# Allegro board SDHCalFEB20180110.brd (continued)
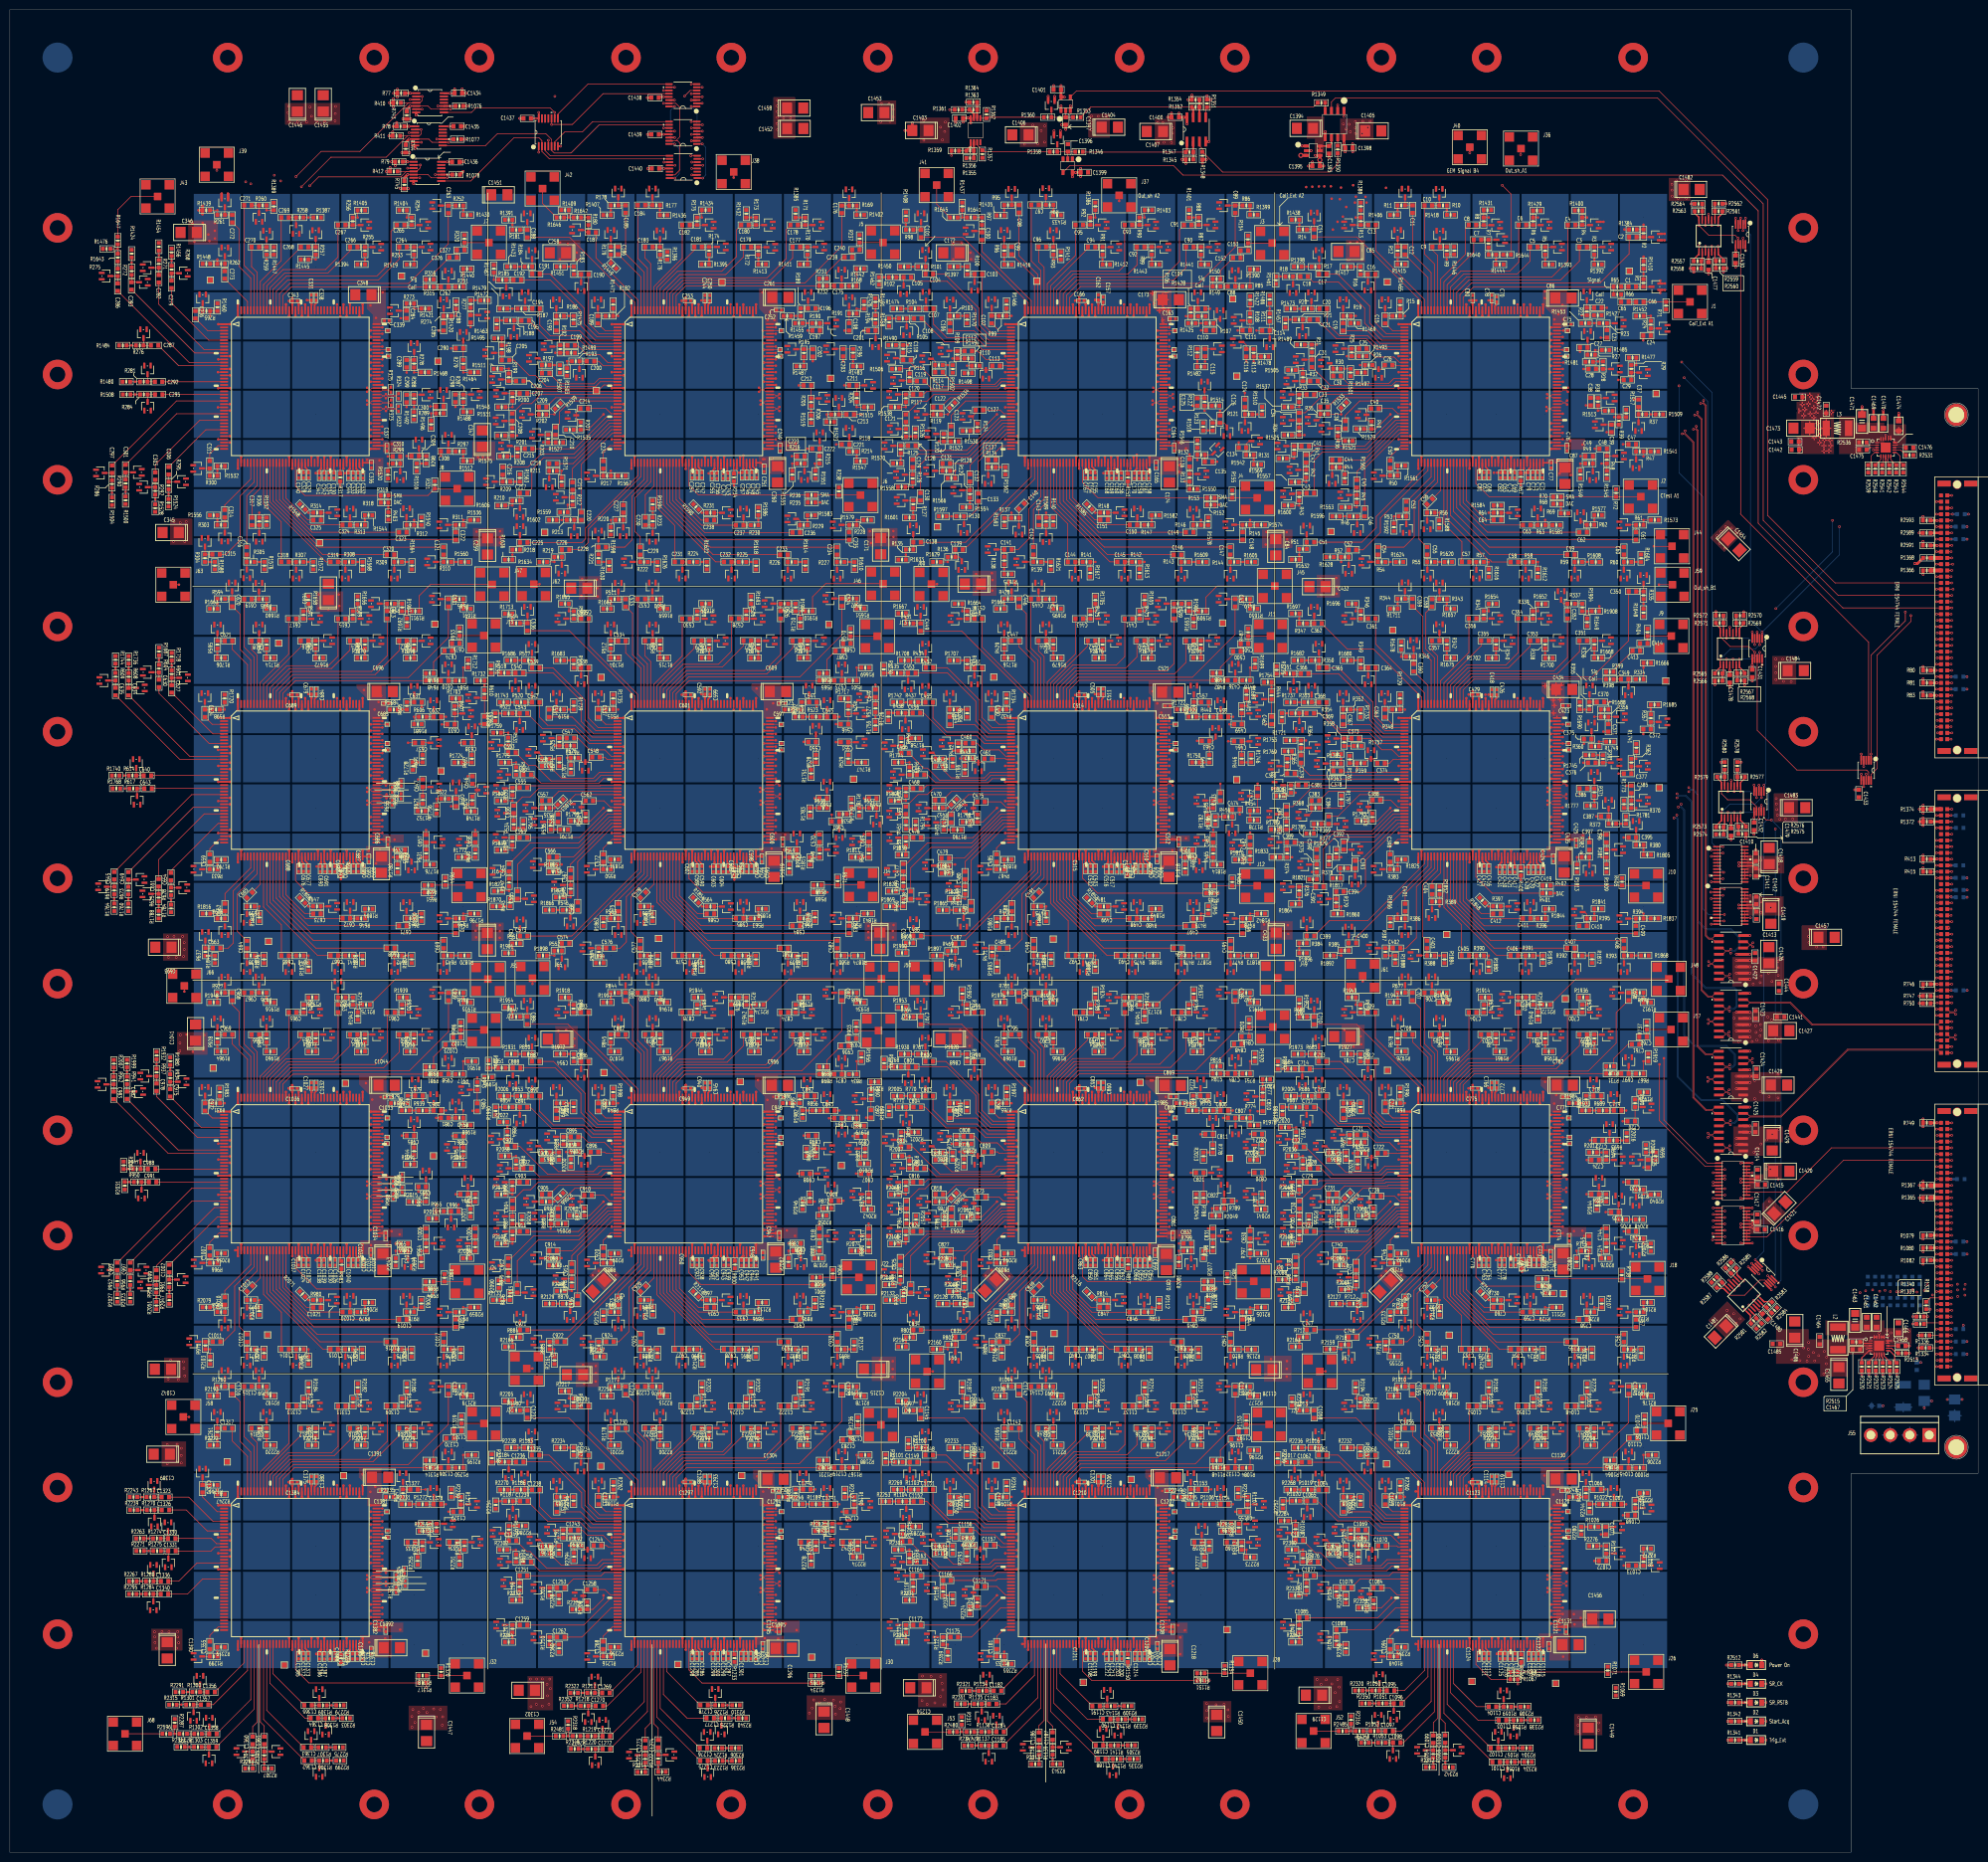
[diagram p0: board, top side]
## Routing (per net, layer and track width the routed paths; a pad name or vN(x,y) marks a point on that pad's centre or on a via; arc(x,y) is an arc through that point) (continued)
ESD_SIGNAL31_ASIC_A2: length 3.2
  TOP w0.127: R115.2 C118.1 181.06,303.26 180.71,303.62 U96.3
ESD_SIGNAL31_ASIC_A3: length 3.1
  TOP w0.127: C205.1 100.05,304.67 R198.2 98.43,304.67 U161.3
ESD_SIGNAL31_ASIC_A4: length 3
  TOP w0.127: C292.1 29.48,298.83 R281.2 28,300.35 27.99,300.36
ESD_SIGNAL31_ASIC_B1: length 3.1
  TOP w0.127: U291.3 263.39,224.4 263.38,224.4 R364.2 262.56,223.83 262.56,223.82 C379.1
ESD_SIGNAL31_ASIC_B5: length 3.1
  TOP w0.127: U356.3 180.43,224.84 180.43,224.84 R448.2 181.28,224.82 C466.1
ESD_SIGNAL31_ASIC_B6: length 3.2
  TOP w0.127: C553.1 R531.2 100.48,224.96 100.47,224.95 U421.3
ESD_SIGNAL31_ASIC_B7: length 3.1
  TOP w0.127: C640.1 25.72,218.79 R614.2 25.71,218.8 U486.3
ESD_SIGNAL31_ASIC_C1: length 3.3
  TOP w0.127: U551.3 261.51,144.89 R697.2 C727.1
ESD_SIGNAL31_ASIC_C2: length 3
  TOP w0.127: C814.1 R781.2 179.72,144.77 U616.3
ESD_SIGNAL31_ASIC_C3: length 3
  TOP w0.127: U681.3 99.63,144.92 R864.2 C901.1
ESD_SIGNAL31_ASIC_C4: length 3
  TOP w0.127: C988.1 28.06,138.84 R947.2 26.57,138.84 U746.3
ESD_SIGNAL31_ASIC_D1: length 3
  TOP w0.127: U811.3 261.45,64.88 R1030.2 C1075.1
ESD_SIGNAL31_ASIC_D2: length 3.1
  TOP w0.127: C1162.1 R1114.2 179.94,64.67 U876.3
ESD_SIGNAL31_ASIC_D3: length 3
  TOP w0.127: U941.3 101.46,64.77 R1197.2 C1249.1
ESD_SIGNAL31_ASIC_D4: length 3
  TOP w0.127: U1006.3 29.21,55.07 R1280.2 30.7,55.07 C1336.1
ESD_SIGNAL32_ASIC_A1: length 3.1
  TOP w0.127: U32.3 262.33,298.97 262.34,298.95 R32.2 263.53,298.95 263.54,298.95 C32.1
ESD_SIGNAL32_ASIC_A2: length 3.2
  TOP w0.127: C119.1 182.97,298.95 R116.2 182.36,298.96 182.25,299.07 U97.3
ESD_SIGNAL32_ASIC_A3: length 3.2
  TOP w0.127: C206.1 102.35,298.97 102.34,298.96 R199.2 101.04,298.96 100.71,299.29 U162.3
ESD_SIGNAL32_ASIC_B1: length 3.1
  TOP w0.127: U292.3 258.15,220.69 R365.2 C380.1
ESD_SIGNAL32_ASIC_B5: length 3.1
  TOP w0.127: U357.3 182.94,218.95 R449.2 184.43,218.95 C467.1
ESD_SIGNAL32_ASIC_C1: length 3.1
  TOP w0.127: U552.3 261.4,138.98 R698.2 262.95,138.98 C728.1
ESD_SIGNAL32_ASIC_C2: length 3.1
  TOP w0.127: C815.1 182.95,138.96 R782.2 181.39,138.98 U617.3
ESD_SIGNAL32_ASIC_C3: length 3.1
  TOP w0.127: C902.1 104.44,138.98 R865.2 101.41,138.98 U682.3
ESD_SIGNAL32_ASIC_D1: length 3
  TOP w0.127: U812.3 261.42,58.98 R1031.2 264.44,58.98 C1076.1
ESD_SIGNAL32_ASIC_D2: length 3
  TOP w0.127: U877.3 181.41,58.98 R1115.2 184.43,58.98 C1163.1
ESD_SIGNAL32_ASIC_D3: length 3
  TOP w0.127: C1250.1 104.44,58.98 R1198.2 101.43,58.98 U942.3
ESD_SIGNAL33_ASIC_A1: length 3.1
  TOP w0.127: C33.1 R33.2 261.35,296.22 261.35,296.22 U33.3
ESD_SIGNAL33_ASIC_A2: length 3.1
  TOP w0.127: C120.1 182.8,296.25 182.79,296.24 R117.2 181.6,296.24 181.58,296.25 U98.3
ESD_SIGNAL33_ASIC_A3: length 3.1
  TOP w0.127: U163.3 100.61,296.47 R200.2 103.67,296.47 C207.1
ESD_SIGNAL33_ASIC_B1: length 3.1
  TOP w0.127: U293.3 258.93,216.82 R366.2 260.52,216.86 C381.1
ESD_SIGNAL33_ASIC_B5: length 3.1
  TOP w0.127: C468.1 183.1,216.18 183.09,216.18 R450.2 181.61,216.18 181.61,216.18 U358.3
ESD_SIGNAL33_ASIC_B6: length 3.1
  TOP w0.127: C555.1 103.67,216.34 R533.2 101.61,216.34 101.46,216.18 U423.3
ESD_SIGNAL33_ASIC_C1: length 3.1
  TOP w0.127: U553.3 262.2,136.17 R699.2 263.69,136.18 C729.1
ESD_SIGNAL33_ASIC_C2: length 3.1
  TOP w0.127: U618.3 180.65,136.15 R783.2 183.68,136.15 C816.1
ESD_SIGNAL33_ASIC_C3: length 3.1
  TOP w0.127: C903.1 102.2,136.17 R866.2 100.64,136.15 U683.3
ESD_SIGNAL33_ASIC_D1: length 3.1
  TOP w0.127: U813.3 262.14,56.2 C1077.1 263.66,54.69 R1032.2
ESD_SIGNAL33_ASIC_D2: length 3.1
  TOP w0.127: R1116.2 183.69,54.7 C1164.1 183.69,56.19 U878.3
ESD_SIGNAL33_ASIC_D3: length 3
  TOP w0.127: U943.3 102.14,54.69 R1199.2 103.68,54.7 C1251.1
ESD_SIGNAL34_ASIC_A1: length 3.1
  TOP w0.127: U34.3 261.55,290.99 261.55,291 C34.1 262.19,290.09 262.18,290.08 R34.2
ESD_SIGNAL34_ASIC_A2: length 3
  TOP w0.127: U99.3 181.47,289.24 181.48,289.23 R118.2 182.22,290.04 182.21,290.06 C121.1
ESD_SIGNAL34_ASIC_A3: length 3.1
  TOP w0.127: U164.3 100.56,290.86 C208.1 102.18,290.85 R201.2
ESD_SIGNAL34_ASIC_A4: length 3
  TOP w0.127: U229.3 28.01,295.63 28.02,295.64 R284.2 28.91,296.24 28.92,296.23 C295.1
ESD_SIGNAL34_ASIC_B1: length 3.3
  TOP w0.127: U294.3 258.95,210.95 258.96,210.95 C382.1 259.59,209.96 259.59,209.95 R367.2
ESD_SIGNAL34_ASIC_B5: length 3.1
  TOP w0.127: U359.3 180.6,210.97 C469.1 182.2,209.49 R451.2
ESD_SIGNAL34_ASIC_B6: length 3.1
  TOP w0.127: R534.2 102.47,209.64 C556.1 100.89,211.15 U424.3
ESD_SIGNAL34_ASIC_B7: length 3
  TOP w0.127: U489.3 25.88,216.14 R617.2 27.35,216.15 C643.1
ESD_SIGNAL34_ASIC_C1: length 3
  TOP w0.127: U554.3 260.68,129.29 R700.2 262.23,130.78 C730.1
ESD_SIGNAL34_ASIC_C2: length 3
  TOP w0.127: R784.2 182.33,129.3 C817.1 180.78,130.78 U619.3
ESD_SIGNAL34_ASIC_C3: length 3.2
  TOP w0.127: C904.1 102.21,129.22 R867.2 100.67,129.22 U684.3
ESD_SIGNAL34_ASIC_C4: length 3.1
  TOP w0.127: U749.3 26.78,134.63 R950.2 28.27,136.19 C991.1
ESD_SIGNAL35_ASIC_A1: length 3.3
  TOP w0.127: C35.1 266.48,293.07 266.49,293.06 R35.2 266.49,291.47 266.01,290.99 U35.3
ESD_SIGNAL35_ASIC_A2: length 3.1
  TOP w0.127: U100.3 187.2,292.19 187.21,292.18 R119.2 C122.1
ESD_SIGNAL35_ASIC_A3: length 3.2
  TOP w0.127: C209.1 R202.2 106.68,292.2 106.67,292.18 U165.3
ESD_SIGNAL35_ASIC_B1: length 3.5
  TOP w0.127: U295.3 264.13,210.75 264.71,211.32 R368.2 264.71,213.04 264.72,213.05 C383.1
ESD_SIGNAL35_ASIC_B5: length 3.2
  TOP w0.127: U360.3 187.31,212.2 187.32,212.21 R452.2 C470.1
ESD_SIGNAL35_ASIC_B6: length 3.1
  TOP w0.127: C557.1 108.2,213.68 R535.2 106.61,212.19 U425.3
ESD_SIGNAL35_ASIC_C1: length 3.1
  TOP w0.127: U555.3 266.63,132.21 R701.2 268.24,133.71 C731.1
ESD_SIGNAL35_ASIC_C2: length 3.1
  TOP w0.127: U620.3 188.23,132.19 R785.2 188.24,132.2 C818.1
ESD_SIGNAL35_ASIC_C3: length 3
  TOP w0.127: U685.3 106.71,132.21 R868.2 108.23,132.22 C905.1
ESD_SIGNAL35_ASIC_D1: length 3.1
  TOP w0.127: C1079.1 271.27,53.72 R1034.2 269.76,53.72 U815.3
ESD_SIGNAL35_ASIC_D2: length 3
  TOP w0.127: C1166.1 189.79,53.73 R1118.2 188.24,53.72 U880.3
ESD_SIGNAL35_ASIC_D3: length 3.1
  TOP w0.127: C1253.1 109.77,53.72 R1201.2 108.23,53.72 U945.3
ESD_SIGNAL35_ASIC_D4: length 3
  TOP w0.127: C1340.1 30.67,52.46 R1284.2 29.18,52.46 U1010.3
ESD_SIGNAL36_ASIC_A1: length 3.1
  TOP w0.127: U36.3 269.46,289.31 269.46,289.31 R36.2 270.92,289.31 270.93,289.32 C36.1
ESD_SIGNAL36_ASIC_A2: length 3.1
  TOP w0.127: C123.1 R120.2 189.13,288.24 189.12,288.23 U101.3
ESD_SIGNAL36_ASIC_A3: length 3
  TOP w0.127: U166.3 108.7,288.04 108.7,288.04 R203.2 C210.1
ESD_SIGNAL36_ASIC_A4: length 3
  TOP w0.127: U231.3 20.79,280.29 C297.1 20.79,278.81 R286.2
ESD_SIGNAL36_ASIC_B1: length 3.1
  TOP w0.127: R369.2 C384.1 268.81,208.97 268.82,208.96 U296.3
ESD_SIGNAL36_ASIC_B5: length 3.1
  TOP w0.127: C471.1 R453.2 189.12,209.27 189.12,209.27 U361.3
ESD_SIGNAL36_ASIC_B6: length 3.1
  TOP w0.127: C558.1 111.47,209.36 R536.2 108.43,209.36 U426.3
ESD_SIGNAL36_ASIC_B7: length 3
  TOP w0.127: C645.1 21.24,196.2 R619.2 21.23,196.19 U491.3
ESD_SIGNAL36_ASIC_C1: length 3.1
  TOP w0.127: C732.1 270.14,129.24 R702.2 270.12,129.24 U556.3
ESD_SIGNAL36_ASIC_C2: length 3.1
  TOP w0.127: C819.1 189.98,129.18 R786.2 188.42,129.19 U621.3
ESD_SIGNAL36_ASIC_C3: length 3.1
  TOP w0.127: C906.1 111.48,129.24 R869.2 109.98,129.24 U686.3
ESD_SIGNAL36_ASIC_C4: length 3
  TOP w0.127: U751.3 21.84,118.29 C993.1 21.85,116.8 R952.2
ESD_SIGNAL37_ASIC_A1: length 3.1
  TOP w0.127: C37.1 R37.2 331.19,291.61 331.18,291.6 U37.3
ESD_SIGNAL37_ASIC_A2: length 3.1
  TOP w0.127: C124.1 251.14,292.81 251.16,292.8 R121.2 251.16,291.6 251.17,291.59 U102.3
ESD_SIGNAL37_ASIC_A3: length 3.4
  TOP w0.127: R204.2 172.21,296.27 C211.1 173.78,298.08 U167.3
ESD_SIGNAL37_ASIC_A4: length 3.2
  TOP w0.127: U232.3 92.81,296.24 92.8,296.22 R287.2 91.26,296.22 91.25,296.21 C298.1
ESD_SIGNAL37_ASIC_B1: length 3.1
  TOP w0.127: C385.1 329.72,215.21 R370.2 331.3,213.72 U297.3
ESD_SIGNAL37_ASIC_B5: length 4.5
  TOP w0.127: R454.2 253.72,212.29 253.72,212.29 C472.1 253.09,214.63 253.09,214.63 U362.3
ESD_SIGNAL37_ASIC_B6: length 3.5
  TOP w0.127: U427.3 176.22,211.39 176.23,211.4 R537.2 176.23,212.81 176.23,212.82 C559.1
ESD_SIGNAL37_ASIC_B7: length 3.5
  TOP w0.127: R620.2 95.12,215.63 U492.3 95.12,216.08 C646.1
ESD_SIGNAL37_ASIC_C1: length 3.1
  TOP w0.127: U557.3 330.67,133.13 R703.2 330.66,134.69 C733.1
ESD_SIGNAL37_ASIC_C2: length 6
  TOP w0.127: C820.1 R787.2 253.84,133.71 253.83,133.71 U622.3
ESD_SIGNAL37_ASIC_C3: length 5.7
  TOP w0.127: U687.3 173.11,133.71 R870.2 C907.1
ESD_SIGNAL37_ASIC_C4: length 3
  TOP w0.127: U752.3 93.14,135.25 C994.1 94.64,133.71 R953.2
ESD_SIGNAL38_ASIC_A1: length 3.1
  TOP w0.127: C38.1 322.33,295.54 322.34,295.53 R38.2 323.54,295.53 323.55,295.52 U38.3
ESD_SIGNAL38_ASIC_A2: length 3.1
  TOP w0.127: C125.1 R122.2 242.95,296.05 242.94,296.06 U103.3
ESD_SIGNAL38_ASIC_A3: length 4.2
  TOP w0.127: C212.1 162.94,298.08 R205.2 164.51,295.45 U168.3
ESD_SIGNAL38_ASIC_A4: length 3.1
  TOP w0.127: U233.3 83.78,296.17 R288.2 82.19,296.16 C299.1
ESD_SIGNAL38_ASIC_B1: length 3.1
  TOP w0.127: C386.1 321.32,216.16 321.33,216.16 R371.2 322.2,216.73 322.2,216.74 U298.3
ESD_SIGNAL38_ASIC_B5: length 3.1
  TOP w0.127: U363.3 243.06,213.72 R455.2 C473.1
ESD_SIGNAL38_ASIC_B6: length 3.6
  TOP w0.127: U428.3 166.15,214.79 166.14,214.79 C560.1 166.14,212.85 166.18,212.81 R538.2
ESD_SIGNAL38_ASIC_B7: length 3.5
  TOP w0.127: R621.2 83.97,216.48 C647.1 84.77,216.48 84.77,216.48 U493.3
ESD_SIGNAL38_ASIC_C1: length 3.1
  TOP w0.127: U558.3 323.14,133.71 C734.1 324.63,133.71 R704.2
ESD_SIGNAL38_ASIC_C2: length 5.9
  TOP w0.127: R788.2 C821.1 243.32,138.08 243.33,138.07 U623.3
ESD_SIGNAL38_ASIC_C3: length 5.8
  TOP w0.127: U688.3 164.25,137.9 C908.1 R871.2
ESD_SIGNAL38_ASIC_C4: length 3.1
  TOP w0.127: U753.3 84.61,135.24 C995.1 84.61,133.75 R954.2
ESD_SIGNAL39_ASIC_A1: length 3.1
  TOP w0.127: U39.3 324.84,290.09 324.85,290.11 C39.1 326.32,290.11 326.33,290.11 R39.2
ESD_SIGNAL39_ASIC_A2: length 3.5
  TOP w0.127: R123.2 C126.1 246.93,290.45 247.48,289.89 U104.3
ESD_SIGNAL39_ASIC_A3: length 3.2
  TOP w0.127: C213.1 170.12,292.18 R206.2 168.58,293.77 U169.3
ESD_SIGNAL39_ASIC_A4: length 3
  TOP w0.127: R289.2 88.2,293 88.19,293.01 C300.1 88.19,294.45 88.19,294.45 U234.3
ESD_SIGNAL39_ASIC_B1: length 3.1
  TOP w0.127: U299.3 325.09,212.09 C387.1 325.09,209.01 R372.2
ESD_SIGNAL39_ASIC_B5: length 3.1
  TOP w0.127: U364.3 248.56,209.82 248.56,209.83 R456.2 C474.1
ESD_SIGNAL39_ASIC_B6: length 3.1
  TOP w0.127: U429.3 168.65,208.65 168.66,208.65 C561.1 R539.2
ESD_SIGNAL39_ASIC_B7: length 3.1
  TOP w0.127: U494.3 90.73,214.68 90.72,214.67 C648.1 R622.2
ESD_SIGNAL39_ASIC_C1: length 3.1
  TOP w0.127: U559.3 327.16,130.08 C735.1 327.15,128.61 R705.2
ESD_SIGNAL39_ASIC_C2: length 3.1
  TOP w0.127: U624.3 246.96,133.86 C822.1 246.96,130.84 R789.2
ESD_SIGNAL39_ASIC_C3: length 3.1
  TOP w0.127: R872.2 167.03,130.9 C909.1 167.03,132.38 U689.3
ESD_SIGNAL39_ASIC_C4: length 3.1
  TOP w0.127: U754.3 89.71,128.71 C996.1 88.23,130.25 R955.2
ESD_SIGNAL40_ASIC_A1: length 4.1
  TOP w0.127: C40.1 276.23,293.37 275.86,293.01 U40.3 275.86,291.21 276.32,290.76 R40.2
ESD_SIGNAL40_ASIC_A2: length 3.7
  TOP w0.127: 195.81,291.78 195.81,291.86 196.39,292.44 C127.1 ; 195.81,291.78 U105.3 ; 195.81,291.78 195.81,291.26 196.72,290.35 R124.2
ESD_SIGNAL40_ASIC_A3: length 3.5
  TOP w0.127: R207.2 116.05,290.6 115.16,291.49 U170.3 115.16,292.48 116.03,293.34 C214.1
ESD_SIGNAL40_ASIC_A4: length 3
  TOP w0.127: R290.2 23.53,278.94 C301.1 25.07,280.42 U235.3
ESD_SIGNAL40_ASIC_B1: length 3.4
  TOP w0.127: R373.2 277.06,211.11 276.25,211.92 U300.3 276.25,212.91 277.11,213.78 C388.1
ESD_SIGNAL40_ASIC_B5: length 3.3
  TOP w0.127: R457.2 196.71,210.87 195.91,211.67 U365.3 195.91,212.61 196.72,213.42 C475.1
ESD_SIGNAL40_ASIC_B6: length 3.3
  TOP w0.127: C562.1 117.07,213.62 116.23,212.78 U430.3 116.23,211.9 117.06,211.07 R540.2
ESD_SIGNAL40_ASIC_B7: length 3
  TOP w0.127: R623.2 24.11,196.18 C649.1 24.11,197.66 U495.3
ESD_SIGNAL40_ASIC_C1: length 3.2
  TOP w0.127: C736.1 276.38,132.46 U560.3 276.38,131.73 R706.2
ESD_SIGNAL40_ASIC_C2: length 3.2
  TOP w0.127: R790.2 196.01,131.43 U625.3 196.01,132.33 C823.1
ESD_SIGNAL40_ASIC_C3: length 3.3
  TOP w0.127: R873.2 116,131.71 U690.3 116,132.69 C910.1
ESD_SIGNAL40_ASIC_C4: length 3.1
  TOP w0.127: R956.2 24.48,118.28 C997.1 26.03,118.29 U755.3
ESD_SIGNAL40_ASIC_D1: length 3.2
  TOP w0.127: R1039.2 276.5,52.01 U820.3 276.5,52.9 C1084.1
ESD_SIGNAL40_ASIC_D2: length 3.2
  TOP w0.127: R1123.2 195.91,52.32 U885.3 195.91,53.18 C1171.1
ESD_SIGNAL40_ASIC_D3: length 3.2
  TOP w0.127: C1258.1 116.59,52.55 U950.3 116.59,51.65 R1206.2
ESD_SIGNAL41_ASIC_A1: length 3.1
  TOP w0.127: U41.3 260.57,285.76 260.57,285.75 R41.2 262.04,285.75 262.05,285.74 C41.1
ESD_SIGNAL41_ASIC_A2: length 3
  TOP w0.127: C128.1 181.76,285.84 181.75,285.83 R125.2 180.42,285.83 180.4,285.81 U106.3
ESD_SIGNAL41_ASIC_A3: length 3.3
  TOP w0.127: U171.3 102.23,285.78 102.82,285.19 R208.2 104.11,285.19 104.13,285.2 C215.1
ESD_SIGNAL41_ASIC_B1: length 3.1
  TOP w0.127: U301.3 258.12,205.23 C389.1 R374.2
ESD_SIGNAL41_ASIC_B5: length 3.1
  TOP w0.127: U366.3 180.62,206.17 R458.2 182.22,206.17 C476.1
ESD_SIGNAL41_ASIC_B6: length 3.1
  TOP w0.127: U431.3 100.6,206.18 R541.2 103.67,206.18 C563.1
ESD_SIGNAL41_ASIC_C1: length 3.1
  TOP w0.127: U561.3 260.66,126.17 R707.2 263.69,126.17 C737.1
ESD_SIGNAL41_ASIC_C2: length 3.1
  TOP w0.127: U626.3 180.65,126.17 R791.2 182.21,126.16 C824.1
ESD_SIGNAL41_ASIC_C3: length 3
  TOP w0.127: U691.3 100.69,126.15 R874.2 102.22,126.13 C911.1
ESD_SIGNAL41_ASIC_D1: length 3
  TOP w0.127: C1085.1 262.2,46.16 R1040.2 260.66,46.15 U821.3
ESD_SIGNAL41_ASIC_D2: length 3.1
  TOP w0.127: C1172.1 183.71,46.15 R1124.2 182.21,46.16 U886.3
ESD_SIGNAL41_ASIC_D3: length 3.1
  TOP w0.127: C1259.1 103.7,46.15 R1207.2 102.2,46.16 U951.3
ESD_SIGNAL42_ASIC_A1: length 3.1
  TOP w0.127: U42.3 263,280.91 263.01,280.9 R42.2 263.61,281.47 263.6,281.48 C42.1
ESD_SIGNAL42_ASIC_A2: length 3.2
  TOP w0.127: U107.3 182.98,279.95 182.99,279.93 R126.2 183.59,280.85 183.58,280.86 C129.1
ESD_SIGNAL42_ASIC_A3: length 3.1
  TOP w0.127: C216.1 100.24,278.52 R209.2 99.69,278.51 99.69,278.52 U172.3
ESD_SIGNAL42_ASIC_A4: length 3
  TOP w0.127: U237.3 29.56,277.4 R292.2 29.57,278.88 C303.1
ESD_SIGNAL42_ASIC_B1: length 3.1
  TOP w0.127: C390.1 265.75,202.2 R375.2 264.16,200.71 U302.3
ESD_SIGNAL42_ASIC_B5: length 3.1
  TOP w0.127: R459.2 181.7,199.3 C477.1 181.69,199.32 U367.3
ESD_SIGNAL42_ASIC_B6: length 3.1
  TOP w0.127: R542.2 101.53,197.83 C564.1 101.52,199.32 U432.3
ESD_SIGNAL42_ASIC_B7: length 3
  TOP w0.127: C651.1 30.27,196.23 R625.2 30.26,194.75 U497.3
ESD_SIGNAL42_ASIC_C1: length 3.1
  TOP w0.127: R708.2 261.47,119.38 C738.1 259.9,119.38 U562.3
ESD_SIGNAL42_ASIC_C2: length 3.1
  TOP w0.127: C825.1 181.09,119.29 R792.2 179.53,117.81 U627.3
ESD_SIGNAL42_ASIC_C3: length 3.1
  TOP w0.127: R875.2 101.35,117.72 C912.1 99.8,119.2 U692.3
ESD_SIGNAL42_ASIC_C4: length 3
  TOP w0.127: U757.3 28.25,115.27 R958.2 29.8,115.28 C999.1
ESD_SIGNAL43_ASIC_A1: length 3.1
  TOP w0.127: U43.3 260.82,276.18 R43.2 263.08,276.18 263.09,276.19 C43.1
ESD_SIGNAL43_ASIC_A2: length 3.1
  TOP w0.127: C130.1 R127.2 183.1,274.7 183.08,274.69 U108.3
ESD_SIGNAL43_ASIC_A3: length 3.1
  TOP w0.127: C217.1 103.71,274.68 R210.2 103.73,274.65 U173.3
ESD_SIGNAL43_ASIC_B1: length 5
  TOP w0.127: C391.1 262.8,196.19 262.79,196.19 R376.2 262.19,196.19 U303.3
ESD_SIGNAL43_ASIC_B5: length 3.1
  TOP w0.127: R460.2 C478.1 184.78,193.73 184.78,193.72
ESD_SIGNAL43_ASIC_B6: length 3.1
  TOP w0.127: U433.3 104.8,193.75 C565.1 103.21,193.73 R543.2
ESD_SIGNAL43_ASIC_C1: length 3.1
  TOP w0.127: U563.3 260.13,113.72 R709.2 263.19,113.72 C739.1
ESD_SIGNAL43_ASIC_C2: length 3.1
  TOP w0.127: R793.2 C826.1 184.73,113.72 U628.3
ESD_SIGNAL43_ASIC_C3: length 3.1
  TOP w0.127: U693.3 104.72,113.72 C913.1 R876.2
ESD_SIGNAL44_ASIC_A1: length 3.1
  TOP w0.127: C44.1 268.9,282.07 268.91,282.06 R44.2 268.91,280.87 268.9,280.86 U44.3
ESD_SIGNAL44_ASIC_A2: length 3.1
  TOP w0.127: U109.3 188.86,280.73 188.87,280.72 R128.2 C131.1
ESD_SIGNAL44_ASIC_A3: length 3
  TOP w0.127: C218.1 R211.2 109.68,280.12 109.67,280.12 U174.3
ESD_SIGNAL44_ASIC_B1: length 3.1
  TOP w0.127: U304.3 272.84,203.73 C392.1 R377.2
ESD_SIGNAL44_ASIC_B5: length 3.1
  TOP w0.127: U369.3 189.45,200.49 R461.2 C479.1
ESD_SIGNAL44_ASIC_B6: length 3.1
  TOP w0.127: U434.3 108.12,200.73 R544.2 C566.1
ESD_SIGNAL44_ASIC_C1: length 3.1
  TOP w0.127: U564.3 268.16,120.72 R710.2 C740.1
ESD_SIGNAL44_ASIC_C2: length 3.1
  TOP w0.127: C827.1 R794.2 188.15,120.72 U629.3
ESD_SIGNAL44_ASIC_C3: length 3
  TOP w0.127: U694.3 108.19,120.72 R877.2 C914.1
ESD_SIGNAL44_ASIC_D1: length 3
  TOP w0.127: C1088.1 269.77,43.72 R1043.2 268.23,43.71 U824.3
ESD_SIGNAL44_ASIC_D2: length 3.1
  TOP w0.127: C1175.1 191.28,43.71 R1127.2 189.78,43.72 U889.3
ESD_SIGNAL44_ASIC_D3: length 3.1
  TOP w0.127: U954.3 109.77,43.72 R1210.2 111.27,43.71 C1262.1
ESD_SIGNAL45_ASIC_A1: length 3.1
  TOP w0.127: C45.1 273.9,276.37 273.89,276.37 R45.2 273.06,275.8 273.06,275.8 U45.3
ESD_SIGNAL45_ASIC_A2: length 3.4
  TOP w0.127: C132.1 195.24,277.94 195.22,277.93 R129.2 194.39,276.76 194.37,276.77 U110.3
ESD_SIGNAL45_ASIC_A3: length 3.2
  TOP w0.127: U175.3 113.82,275.34 113.83,275.34 R212.2 114.42,275.91 114.41,275.92 C219.1
ESD_SIGNAL45_ASIC_A4: length 3.3
  TOP w0.127: C306.1 32.28,279.97 R295.2 34.04,278.49 U240.3
ESD_SIGNAL45_ASIC_B1: length 3.1
  TOP w0.127: R378.2 273.55,199.96 C393.1 273.55,199.94 U305.3
ESD_SIGNAL45_ASIC_B5: length 3.1
  TOP w0.127: 194.25,196.24 R462.2 ; 194.25,196.24 194.24,196.25 C480.1 ; 194.25,196.24 U370.3
ESD_SIGNAL45_ASIC_B6: length 3.1
  TOP w0.127: U435.3 112.45,196.55 R545.2 114.02,196.56 C567.1
ESD_SIGNAL45_ASIC_B7: length 3
  TOP w0.127: U500.3 34.31,196.01 R628.2 32.77,196.02 C654.1
ESD_SIGNAL45_ASIC_C1: length 3.1
  TOP w0.127: C741.1 273.74,116.83 R711.2 272.17,116.81 U565.3
ESD_SIGNAL45_ASIC_C2: length 3.1
  TOP w0.127: U630.3 192.54,116.38 R795.2 194.09,116.4 C828.1
ESD_SIGNAL45_ASIC_C3: length 3
  TOP w0.127: U695.3 112.73,116.54 R878.2 114.28,116.55 C915.1
ESD_SIGNAL45_ASIC_C4: length 3.1
  TOP w0.127: U760.3 33.98,116.36 R961.2 32.44,116.37 C1002.1
ESD_SIGNAL46_ASIC_A1: length 3.1
  TOP w0.127: C46.1 274.56,271.46 274.55,271.45 R46.2 273.98,270.6 273.98,270.59 U46.3
ESD_SIGNAL46_ASIC_A2: length 6.7
  TOP w0.127: C133.1 196.94,273.19 195.22,271.48 R130.2 194.01,270.88 194.02,270.87 U111.3
ESD_SIGNAL46_ASIC_A3: length 3
  TOP w0.127: C220.1 115.33,270.74 115.33,270.74 R213.2 114.76,269.97 114.75,269.96 U176.3
ESD_SIGNAL46_ASIC_B1: length 3.1
  TOP w0.127: C394.1 269.72,193.73 R379.2 269.71,193.73 U306.3
ESD_SIGNAL46_ASIC_B5: length 3.1
  TOP w0.127: U371.3 193.95,191.44 R463.2 194.81,191.45 194.82,191.47 C481.1
ESD_SIGNAL46_ASIC_B6: length 3.1
  TOP w0.127: C568.1 113.98,191.47 R546.2 113.97,189.89 U436.3
ESD_SIGNAL46_ASIC_C1: length 3
  TOP w0.127: C742.1 274,111.46 R712.2 273.99,111.46 U566.3
ESD_SIGNAL46_ASIC_C2: length 3.1
  TOP w0.127: U631.3 193.95,109.91 R796.2 195.45,111.46 C829.1
ESD_SIGNAL46_ASIC_C3: length 3
  TOP w0.127: C916.1 113.96,111.48 R879.2 113.94,109.94 U696.3
ESD_SIGNAL47_ASIC_A1: length 3.1
  TOP w0.127: C47.1 R47.2 330.67,283.81 330.67,283.8 U47.3
ESD_SIGNAL47_ASIC_A2: length 3.5
  TOP w0.127: R131.2 C134.1 251.41,286.18 252.01,286.78 U112.3
ESD_SIGNAL47_ASIC_A3: length 3.1
  TOP w0.127: R214.2 C221.1 170.69,286.73 170.69,286.73 U177.3
ESD_SIGNAL47_ASIC_A4: length 3.1
  TOP w0.127: R297.2 89.79,284.68 89.78,284.7 C308.1 89.18,285.33 89.18,285.33 U242.3
ESD_SIGNAL47_ASIC_B1: length 3.1
  TOP w0.127: R380.2 C395.1 330.68,207.79 U307.3
ESD_SIGNAL47_ASIC_B5: length 3.4
  TOP w0.127: R464.2 252.2,203.24 C482.1 251.49,204.72 251.31,204.55 U372.3
ESD_SIGNAL47_ASIC_B6: length 3.2
  TOP w0.127: R547.2 174.65,203.75 C569.1 174.65,205.34 U437.3
ESD_SIGNAL47_ASIC_B7: length 1.6
  TOP w0.127: U502.3 93.1,205.23 C656.1
ESD_SIGNAL47_ASIC_C1: length 3.1
  TOP w0.127: U567.3 330.68,123.09 R713.2 C743.1
ESD_SIGNAL47_ASIC_C2: length 3.1
  TOP w0.127: R797.2 252.2,123.23 C830.1 253.74,124.71 U632.3
ESD_SIGNAL47_ASIC_C3: length 3.1
  TOP w0.127: R880.2 174.63,123.74 C917.1 173.08,125.22 U697.3
ESD_SIGNAL47_ASIC_C4: length 3
  TOP w0.127: C1004.1 94.62,123.74 R963.2 93.12,123.72 U762.3
ESD_SIGNAL48_ASIC_A1: length 3.2
  TOP w0.127: C48.1 324.75,284.32 324.73,284.3 R48.2 325.33,283.73 325.34,283.73 U48.3
ESD_SIGNAL48_ASIC_A2: length 3.4
  TOP w0.127: C135.1 R132.2 244.46,283.97 244.81,284.32 ; 244.81,284.32 U113.3 ; 244.81,284.32 U113.3 ; 244.81,284.32 U113.3
ESD_SIGNAL48_ASIC_A3: length 3.1
  TOP w0.127: U178.3 164.67,285.21 C222.1 164.67,283.72 R215.2
ESD_SIGNAL48_ASIC_A4: length 3.1
  TOP w0.127: R298.2 84.09,283.72 84.07,283.73 C309.1 83.19,284.37 83.19,284.37 U243.3
ESD_SIGNAL48_ASIC_B1: length 3.1
  TOP w0.127: U308.3 324.68,203.73 R381.2 324.68,205.22 C396.1
ESD_SIGNAL48_ASIC_B5: length 3.3
  TOP w0.127: U373.3 243.43,205.59 243.82,205.21 C483.1 244.71,203.72 R465.2
ESD_SIGNAL48_ASIC_B6: length 3.1
  TOP w0.127: C570.1 164.65,203.75 R548.2 166.24,203.73 U438.3
ESD_SIGNAL48_ASIC_B7: length 3.1
  TOP w0.127: U503.3 84.64,205.23 C657.1 84.64,203.75 R631.2
ESD_SIGNAL48_ASIC_C1: length 3.1
  TOP w0.127: C744.1 324.64,123.74 R714.2 326.21,123.72 U568.3
ESD_SIGNAL48_ASIC_C2: length 3.1
  TOP w0.127: U633.3 244.64,125.22 C831.1 244.63,123.74 R798.2
ESD_SIGNAL48_ASIC_C3: length 3.1
  TOP w0.127: R881.2 164.62,123.74 C918.1 164.63,125.22 U698.3
ESD_SIGNAL48_ASIC_C4: length 3.1
  TOP w0.127: C1005.1 84.64,123.74 R964.2 86.2,123.72 U763.3
ESD_SIGNAL49_ASIC_A1: length 3.1
  TOP w0.127: C49.1 R49.2 321.91,281.37 321.91,281.36 U49.3
ESD_SIGNAL49_ASIC_A2: length 3.2
  TOP w0.127: C136.1 239.89,280.67 239.9,280.66 R133.2 240.5,280.09 240.51,280.07 U114.3
ESD_SIGNAL49_ASIC_A3: length 3.1
  TOP w0.127: U179.3 161.59,280.62 R216.2 C223.1
ESD_SIGNAL49_ASIC_A4: length 3.1
  TOP w0.127: U244.3 79.37,281.37 79.38,281.37 R299.2 C310.1
ESD_SIGNAL49_ASIC_B1: length 3.1
  TOP w0.127: U309.3 321.18,200.61 R382.2 321.19,202.22 C397.1
ESD_SIGNAL49_ASIC_B5: length 3.4
  TOP w0.127: C484.1 R466.2 241.29,202.19 241.88,201.6 U374.3
ESD_SIGNAL49_ASIC_B6: length 3.1
  TOP w0.127: U439.3 160.02,203.69 C571.1 R549.2
ESD_SIGNAL49_ASIC_B7: length 3.4
  TOP w0.127: C658.1 R632.2 81.12,202.19 81.68,201.63 U504.3
ESD_SIGNAL49_ASIC_C1: length 3.1
  TOP w0.127: U569.3 321.11,120.65 R715.2 321.11,122.21 C745.1
ESD_SIGNAL49_ASIC_C2: length 3.1
  TOP w0.127: C832.1 R799.2 240.21,120.63 U634.3
ESD_SIGNAL49_ASIC_C3: length 3.1
  TOP w0.127: C919.1 R882.2 160.83,120.65 U699.3
ESD_SIGNAL49_ASIC_C4: length 3
  TOP w0.127: C1006.1 R965.2 80.95,120.68 U764.3
ESD_SIGNAL50_ASIC_A1: length 3.1
  TOP w0.127: U50.3 279.89,279.74 279.9,279.75 R50.2 280.68,280.69 280.68,280.7 C50.1
ESD_SIGNAL50_ASIC_A2: length 3.1
  TOP w0.127: C137.1 R134.2 198.93,280.62 198.95,280.61 U115.3
ESD_SIGNAL50_ASIC_A3: length 3
  TOP w0.127: U180.3 120.1,279.71 120.1,279.7 R217.2 120.68,280.3 120.69,280.31 C224.1
ESD_SIGNAL50_ASIC_A4: length 3.1
  TOP w0.127: R300.2 40.65,279.72 C311.1 39.04,281.2 U245.3
ESD_SIGNAL50_ASIC_B1: length 3.1
  TOP w0.127: C398.1 280.67,199.74 R383.2 279.08,199.74 U310.3
ESD_SIGNAL50_ASIC_B5: length 3.1
  TOP w0.127: C485.1 200.64,199.76 200.65,199.75 ; U375.3 200.65,199.75 ; 200.65,199.75 R467.2
ESD_SIGNAL50_ASIC_B6: length 3.1
  TOP w0.127: U440.3 120.66,199.75 R550.2 120.68,199.74 C572.1
ESD_SIGNAL50_ASIC_B7: length 3.1
  TOP w0.127: U505.3 40.65,199.75 R633.2 40.67,199.74 C659.1
ESD_SIGNAL50_ASIC_C1: length 3.1
  TOP w0.127: C746.1 280.7,119.76 R716.2 279.16,119.75 U570.3
ESD_SIGNAL50_ASIC_C2: length 3.1
  TOP w0.127: C833.1 200.69,119.76 R800.2 199.15,119.75 U635.3
ESD_SIGNAL50_ASIC_C3: length 3.1
  TOP w0.127: C920.1 120.68,119.76 R883.2 119.14,119.75 U700.3
ESD_SIGNAL50_ASIC_C4: length 3
  TOP w0.127: C1007.1 40.64,119.77 R966.2 39.15,119.75 U765.3
ESD_SIGNAL50_ASIC_D1: length 3.1
  TOP w0.127: C1094.1 280.67,39.77 R1049.2 279.13,39.77 U830.3
ESD_SIGNAL50_ASIC_D2: length 3.1
  TOP w0.127: U895.3 199.15,39.77 R1133.2 200.69,39.77 C1181.1
ESD_SIGNAL50_ASIC_D3: length 3
  TOP w0.127: C1268.1 120.65,39.79 R1216.2 119.16,39.77 U960.3
ESD_SIGNAL50_ASIC_D4: length 3.1
  TOP w0.127: U1025.3 39.13,39.77 R1299.2 40.67,39.77 C1355.1
ESD_SIGNAL51_ASIC_A1: length 3
  TOP w0.127: U51.3 263.71,266.23 C51.1 R51.2
ESD_SIGNAL51_ASIC_A2: length 3.2
  TOP w0.127: R135.2 C138.1 183.72,266.84 183.71,266.85 U116.3
ESD_SIGNAL51_ASIC_A3: length 3
  TOP w0.127: U181.3 103.74,266.8 103.73,266.79 C225.1 R218.2
ESD_SIGNAL51_ASIC_B1: length 3.1
  TOP w0.127: U311.3 263.73,186.21 C399.1 R384.2
ESD_SIGNAL51_ASIC_B5: length 3.1
  TOP w0.127: 183.72,187.83 183.72,186.23 C486.1 R468.2
ESD_SIGNAL51_ASIC_B6: length 3.1
  TOP w0.127: U441.3 103.74,186.18 C573.1 R551.2
ESD_SIGNAL51_ASIC_C1: length 3.1
  TOP w0.127: R717.2 C747.1 263.73,107.74 U571.3